# KiCad board AMC_FMC_Carrier-PcbDoc.kicad_pcb (continued)
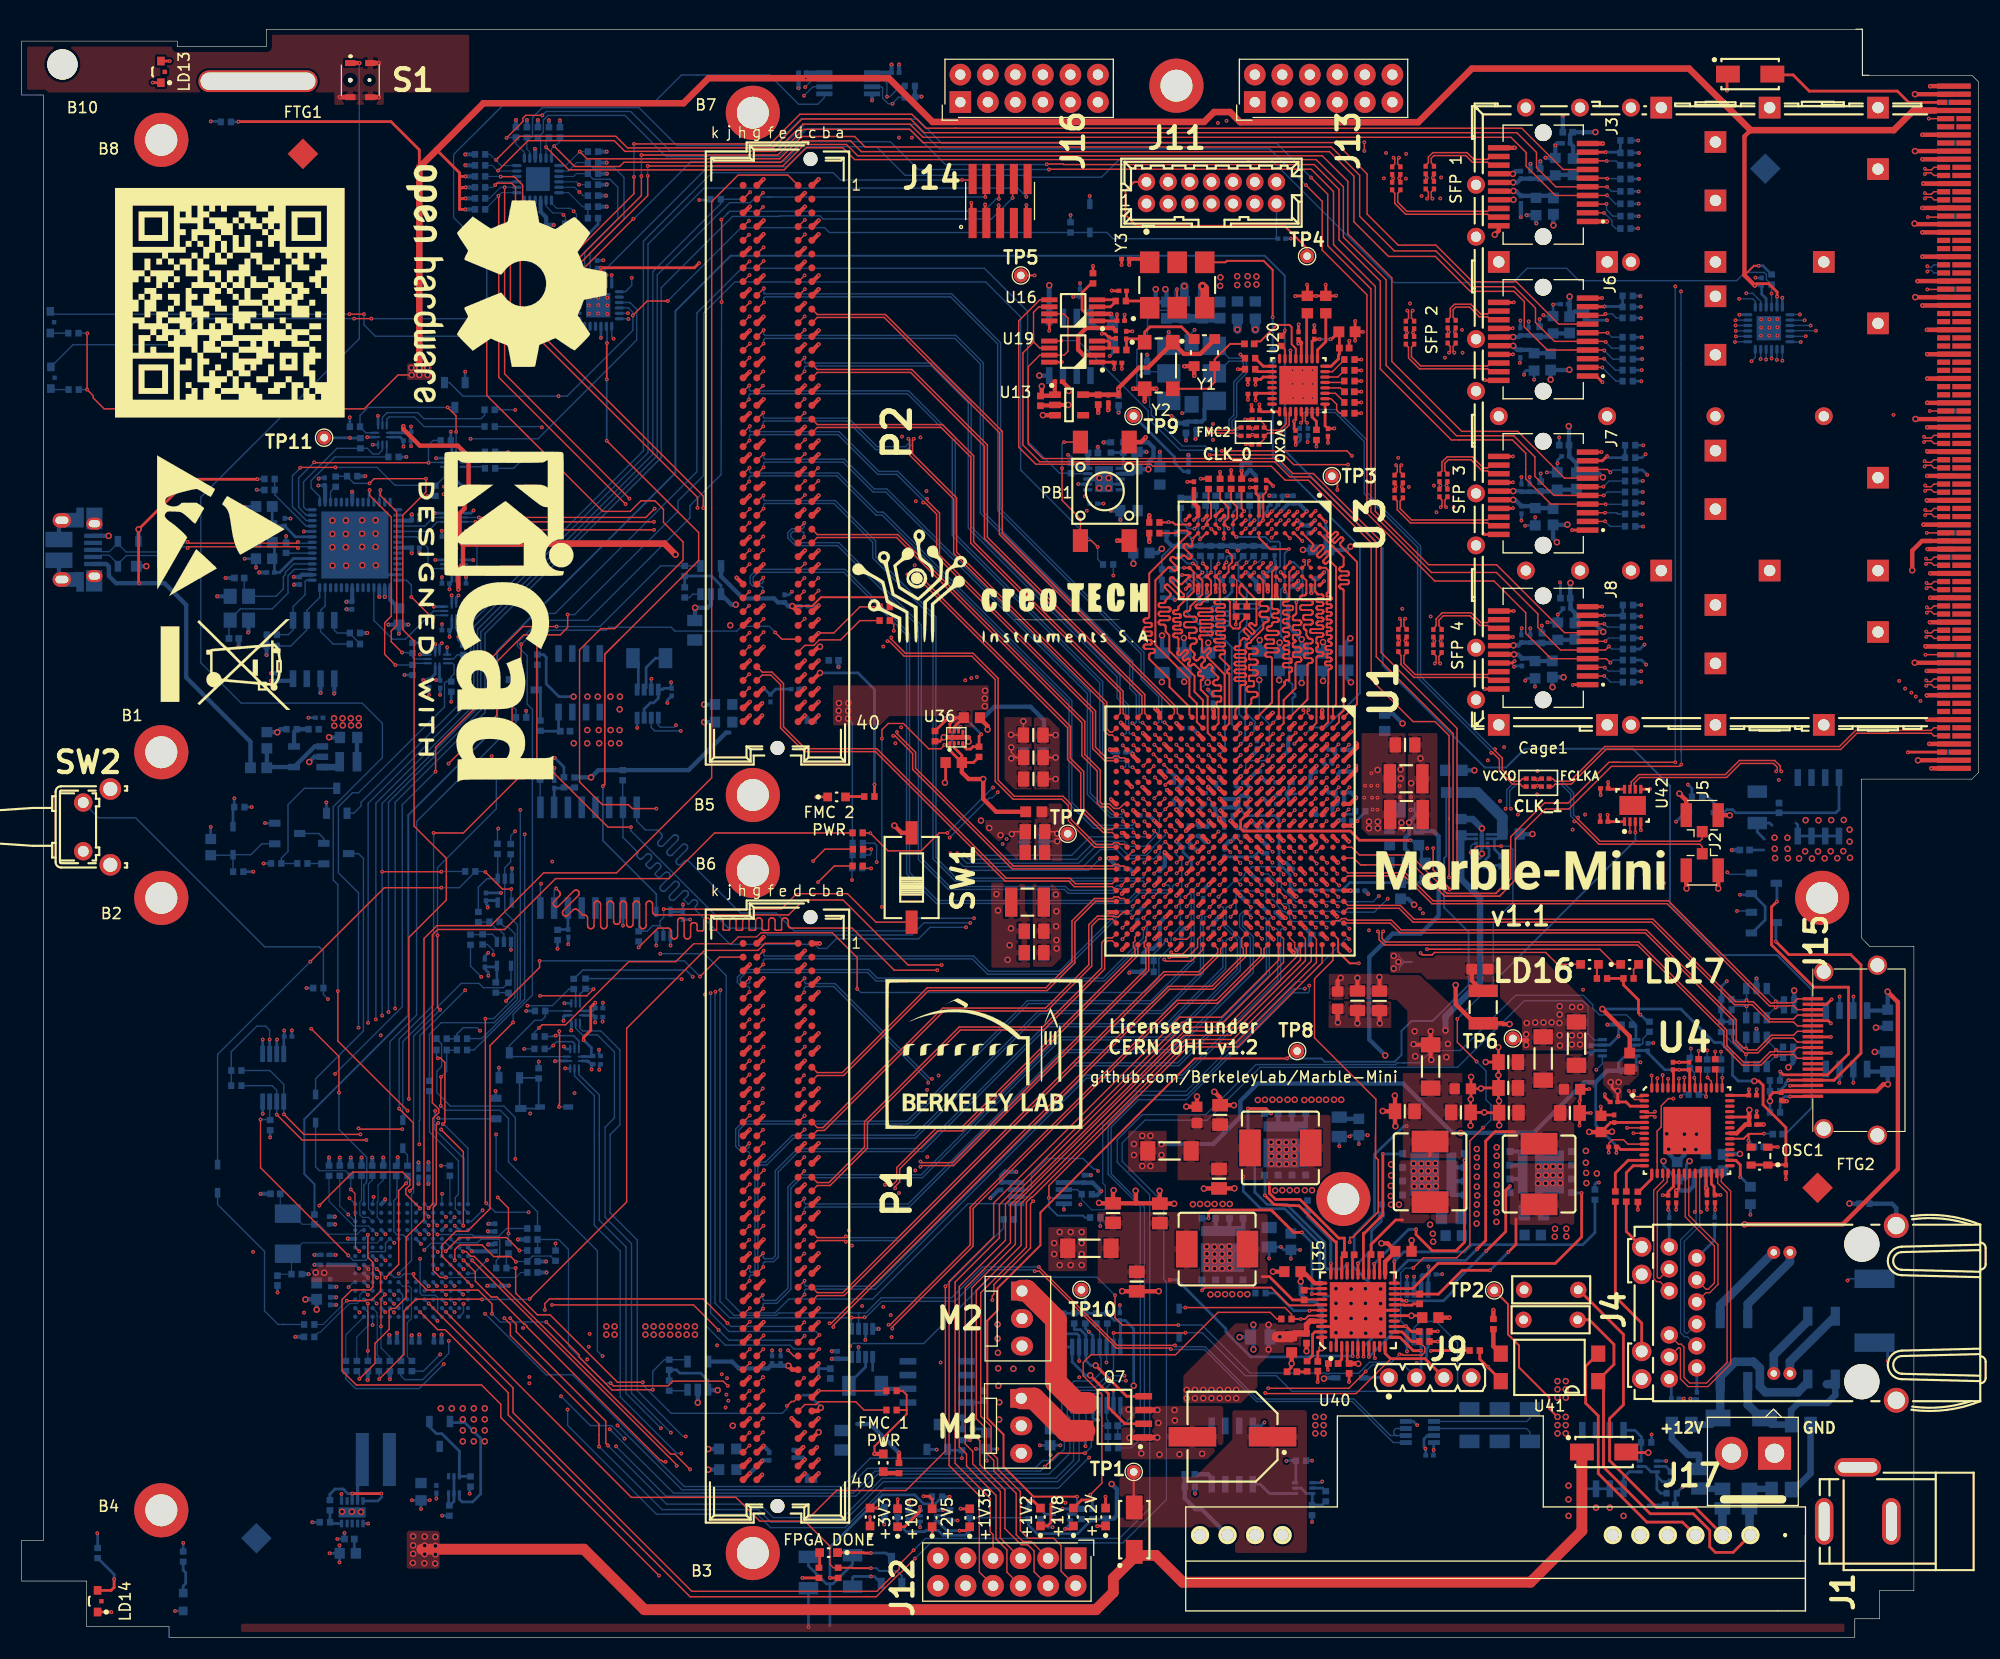
[diagram p0: board, top side]
## Nets (continued)
Net-(B9-Pad1): B9.1
Net-(B10-Pad1): B10.1
Net-(C30-Pad2): C30.2 C31.1 C32.1 C34.1 J3.15 L1.2
Net-(C33-Pad2): C33.2 C35.1 J3.16 L2.2
Net-(C38-Pad1): C38.1 R224.2 R225.2 U30.2
Net-(C39-Pad1): C39.1 R227.2 U30.14
Net-(C42-Pad2): C42.2 C45.1 C46.1 C48.1 C50.1 C52.1 L3.2 U4.3 U4.19 U4.26 U4.35 U4.38
Net-(C47-Pad2): C47.2 C49.1 C51.1 L4.2 U4.20 U4.25
Net-(C58-Pad1): C58.1 J4.7
Net-(C59-Pad1): C59.1 J4.1
Net-(C60-Pad1): C60.1 J4.6
Net-(C72-Pad2): C72.2 C73.1 C74.1 C76.1 J6.15 L41.2
Net-(C75-Pad2): C75.2 C77.1 J6.16 L42.2
Net-(C84-Pad2): C84.2 C85.1 C86.1 C88.1 J7.15 L5.2
Net-(C87-Pad2): C87.2 C89.1 J7.16 L6.2
Net-(C93-Pad1): C93.1 R132.1 U2.K4 Y5.2
Net-(C100-Pad1): C96.2 C97.1 C98.1 C100.1 J8.15 L7.2
Net-(C101-Pad1): C99.2 C101.1 J8.16 L8.2
Net-(C102-Pad1): C92.1 C102.1 U2.L2 Y5.1
Net-(C106-Pad1): C90.1 C106.1 R58.1 U14.8 U16.2 U19.2
Net-(C107-Pad1): C81.1 C91.1 C107.1 U13.5 Y1.6 Y2.4
Net-(C111-Pad1): C111.1 C113.1 L11.2 L12.1
Net-(C114-Pad1): C114.1 Y1.4 Y2.3
Net-(C114-Pad2): C114.2 U20.21
Net-(C120-Pad1): C120.1 U20.19
Net-(C121-Pad1): C121.1 U20.17
Net-(C123-Pad1): C123.1 C126.1 L26.1 U20.16 U20.18
Net-(C127-Pad1): C127.1 C140.1 U35.4 U35.16
Net-(C128-Pad1): C128.1 D4.2 J1.1 J17.2 Q1.1 Q2.5 Q2.6 Q2.7 Q2.8
Net-(C129-Pad1): C129.1 C130.1 D4.1 D12.1 U18.2 U18.3
Net-(C132-Pad1): C132.1 C133.1 L13.2 Q15.1 Q25.3 R109.1 U18.8 U18.10
Net-(C134-Pad2): C134.2 Q16.4 R213.2
Net-(C135-Pad2): C135.2 Q23.4 R214.2
Net-(C138-Pad2): C138.2 U35.3
Net-(C144-Pad1): C144.1 C361.1 C362.1 U35.23 U35.34 U35.44
Net-(C145-Pad1): C145.1 L16.1 R195.1 U37.1 U37.2
Net-(C162-Pad1): C162.1 L10.2 U22.1 U22.4
Net-(C165-Pad1): C165.1 U23.4 Y4.1
Net-(C167-Pad1): C167.1 C174.1 L24.2 U23.5
Net-(C168-Pad1): C168.1 C175.1 L25.2 U23.9
Net-(C171-Pad1): C171.1 U23.3 Y4.3
Net-(C188-Pad2): C188.2 C189.2 R129.2 U27.11 U27.12
Net-(C199-Pad1): C199.1 L9.2 U2.F2 U2.G2
Net-(C350-Pad1): C350.1 D12.2 Q4.5 Q4.6 Q4.7 Q4.8 Q22.1 R197.1 TP1.1 U40.8
Net-(C352-Pad1): C352.1 J4.12
Net-(C353-Pad1): C353.1 L39.2 U40.1 U41.1
Net-(C354-Pad1): C354.1 L40.2 U40.2
Net-(C357-Pad2): C357.2 D9.1 Q3.4 R170.1
Net-(C360-Pad1): C360.1 D16.2 Q18.1 R270.2
Net-(C374-Pad1): C374.1 C375.1 OSC1.3 U4.34
Net-(C389-Pad2): C389.2 U20.12
Net-(D2-Pad2): D2.2 D5.2 J9.1 R245.1 U35.40
Net-(D6-Pad3): D6.3 D7.3 D8.1 L35.1
Net-(D6-Pad4): D6.4 D7.4 D8.2 L36.1
Net-(D10-Pad5): D10.5
Net-(D11-Pad5): D11.5
Net-(D13-Pad4): D13.4 J10.1 L10.1 R112.1
Net-(D14-Pad2): D14.2 Q5.3 Q17.1 R246.2
Net-(D17-Pad1): D17.1 R276.2 U7.4
Net-(D18-Pad1): D18.1 R63.2 U10.4
Net-(J1-Pad2): J1.2
Net-(J3-Pad9): J3.9 R32.1 R33.1
Net-(J4-Pad17): J4.17 R67.1
Net-(J4-Pad19): J4.19 R156.1
Net-(J4-Pad21): J4.21 J4.22 R165.2
Net-(J6-Pad9): J6.9 R68.1 R69.1
Net-(J7-Pad9): J7.9 R76.1 R77.1
Net-(J8-Pad9): J8.9 R85.1 R86.1
Net-(J10-Pad4): J10.4
Net-(J11-Pad12): J11.12
Net-(J11-Pad14): J11.14
Net-(J14-Pad7): J14.7
Net-(J15-Pad13): J15.13
Net-(J15-Pad14): J15.14
Net-(J15-Pad15): J15.15 Q20.3 R217.2
Net-(J15-Pad16): J15.16 Q21.3 R218.2
Net-(L13-Pad1): L13.1 U18.9
Net-(L23-Pad1): L23.1 U22.3
Net-(L35-Pad2): L35.2 L37.1
Net-(L36-Pad2): L36.2 L38.1
Net-(L37-Pad2): L37.2 L39.1
Net-(L38-Pad2): L38.2 L40.1
Net-(LD1-Pad2): LD1.2 R235.2
Net-(LD2-Pad2): LD2.2 R236.2
Net-(LD3-Pad1): LD3.1 Q19.3
Net-(LD3-Pad2): LD3.2 R163.2
Net-(LD4-Pad2): LD4.2 R248.2
Net-(LD5-Pad1): LD5.1 Q26.6
Net-(LD5-Pad2): LD5.2 R249.2
Net-(LD6-Pad2): LD6.2 R251.2
Net-(LD7-Pad1): LD7.1 Q26.3
Net-(LD7-Pad2): LD7.2 R252.2
Net-(LD8-Pad1): LD8.1 Q27.6
Net-(LD8-Pad2): LD8.2 R254.2
Net-(LD9-Pad1): LD9.1 Q27.3
Net-(LD9-Pad2): LD9.2 R256.2
Net-(LD10-Pad2): LD10.2 R257.2
Net-(LD11-Pad1): LD11.1 U39.13
Net-(LD11-Pad2): LD11.2 R264.2
Net-(LD12-Pad1): LD12.1 U39.12
Net-(LD12-Pad2): LD12.2 R265.2
Net-(LD13-Pad1): LD13.1 U2.P2
Net-(LD13-Pad2): LD13.2 R266.2
Net-(LD14-Pad1): LD14.1 U2.P1
Net-(LD14-Pad2): LD14.2 R267.2
Net-(LD15-Pad1): LD15.1 U2.N8
Net-(LD15-Pad2): LD15.2 R268.2
Net-(LD16-Pad1): LD16.1 U1.C17
Net-(LD16-Pad2): LD16.2 R306.2
Net-(LD17-Pad1): LD17.1 U1.D14
Net-(LD17-Pad2): LD17.2 R307.2
Net-(M1-Pad1): M1.1 Q7.7 Q7.8
Net-(M1-Pad3): M1.3 R175.2 U27.2
Net-(M2-Pad1): M2.1 Q7.5 Q7.6
Net-(M2-Pad3): M2.3 R177.2 U27.4
Net-(P1-Padc2): P1.c2
Net-(P1-Padc3): P1.c3
Net-(P1-Padc6): P1.c6
Net-(P1-Padc7): P1.c7
Net-(P1-Padc34): P1.c34 R297.2
Net-(P1-Padd35): P1.d35 R298.2
Net-(P1-Padh1): P1.h1
Net-(P2-Padc2): P2.c2
Net-(P2-Padc3): P2.c3
Net-(P2-Padc6): P2.c6
Net-(P2-Padc7): P2.c7
Net-(P2-Padc34): P2.c34 R299.2
Net-(P2-Padd35): P2.d35 R300.2
Net-(P2-Padh1): P2.h1
Net-(P3-Pad6): P3.6
Net-(P3-Pad8): P3.8
Net-(P3-Pad171): P3.171
Net-(P3-Pad172): P3.172
Net-(P3-Pad173): P3.173
Net-(P3-Pad174): P3.174
Net-(P3-Pad175): P3.175
Net-(P3-Pad176): P3.176
Net-(P3-Pad177): P3.177
Net-(P3-Pad178): P3.178
Net-(P3-Pad179): P3.179
Net-(P3-Pad180): P3.180
Net-(P3-Pad181): P3.181
Net-(P3-Pad182): P3.182
Net-(P3-Pad183): P3.183
Net-(P3-Pad184): P3.184
Net-(P3-Pad185): P3.185
Net-(P3-Pad186): P3.186
Net-(P3-Pad187): P3.187
Net-(P3-Pad188): P3.188
Net-(P3-Pad189): P3.189
Net-(P3-Pad190): P3.190
Net-(P3-Pad191): P3.191
Net-(P3-Pad192): P3.192
Net-(P3-Pad193): P3.193
Net-(P3-Pad194): P3.194
Net-(P3-Pad195): P3.195
Net-(P3-Pad196): P3.196
Net-(P3-Pad197): P3.197
Net-(P3-Pad198): P3.198
Net-(P3-Pad199): P3.199
Net-(P3-Pad200): P3.200
Net-(P3-Pad201): P3.201
Net-(P3-Pad202): P3.202
Net-(P3-Pad203): P3.203
Net-(P3-Pad204): P3.204
Net-(P3-Pad205): P3.205
Net-(P3-Pad206): P3.206
Net-(P3-Pad207): P3.207
Net-(P3-Pad208): P3.208
Net-(P3-Pad209): P3.209
Net-(P3-Pad210): P3.210
Net-(P3-Pad211): P3.211
Net-(P3-Pad212): P3.212
Net-(P3-Pad213): P3.213
Net-(P3-Pad214): P3.214
Net-(P3-Pad215): P3.215
Net-(P3-Pad216): P3.216
Net-(P3-Pad217): P3.217
Net-(P3-Pad218): P3.218
Net-(P3-Pad219): P3.219
Net-(P3-Pad220): P3.220
Net-(P3-Pad221): P3.221
Net-(P3-Pad222): P3.222
Net-(P3-Pad223): P3.223
Net-(P3-Pad224): P3.224
Net-(P3-Pad225): P3.225
Net-(P3-Pad226): P3.226
Net-(P3-Pad227): P3.227
Net-(P3-Pad228): P3.228
Net-(P3-Pad229): P3.229
Net-(P3-Pad230): P3.230
Net-(P3-Pad231): P3.231
Net-(P3-Pad232): P3.232
Net-(P3-Pad233): P3.233
Net-(P3-Pad234): P3.234
Net-(P3-Pad235): P3.235
Net-(P3-Pad236): P3.236
Net-(P3-Pad237): P3.237
Net-(P3-Pad238): P3.238
Net-(P3-Pad239): P3.239
Net-(P3-Pad240): P3.240
Net-(P3-Pad241): P3.241
Net-(P3-Pad242): P3.242
Net-(P3-Pad243): P3.243
Net-(P3-Pad244): P3.244
Net-(P3-Pad245): P3.245
Net-(P3-Pad246): P3.246
Net-(P3-Pad247): P3.247
Net-(P3-Pad248): P3.248
Net-(P3-Pad249): P3.249
Net-(P3-Pad250): P3.250
Net-(P3-Pad251): P3.251
Net-(P3-Pad252): P3.252
Net-(P3-Pad253): P3.253
Net-(P3-Pad254): P3.254
Net-(P3-Pad255): P3.255
Net-(P3-Pad256): P3.256
Net-(P3-Pad257): P3.257
Net-(P3-Pad258): P3.258
Net-(P3-Pad259): P3.259
Net-(P3-Pad260): P3.260
Net-(P3-Pad261): P3.261
Net-(P3-Pad262): P3.262
Net-(P3-Pad263): P3.263
Net-(P3-Pad264): P3.264
Net-(P3-Pad265): P3.265
Net-(P3-Pad266): P3.266
Net-(P3-Pad267): P3.267
Net-(P3-Pad268): P3.268
Net-(P3-Pad269): P3.269
Net-(P3-Pad270): P3.270
Net-(P3-Pad271): P3.271
Net-(P3-Pad272): P3.272
Net-(P3-Pad273): P3.273
Net-(P3-Pad274): P3.274
Net-(Q1-Pad2): Q1.2 Q1.6 R104.1 R107.1
Net-(Q1-Pad3): Q1.3 Q2.4 R108.1
Net-(Q1-Pad5): Q1.5 R107.2
Net-(Q6-Pad3): Q6.3 R204.2 U26.2 U33.2
Net-(Q7-Pad2): Q7.2 R174.2 U27.1
Net-(Q7-Pad4): Q7.4 R176.2 U27.3
Net-(Q8-Pad3): Q8.3 R202.2 R213.1
Net-(Q9-Pad3): Q9.3 R203.2 R214.1
Net-(Q14-Pad1): Q14.1 R269.2
Net-(Q14-Pad2): Q14.2 Q18.3
Net-(Q15-Pad2): Q15.2 Q15.5 Q15.6 R171.1
Net-(Q15-Pad3): Q15.3 Q25.1 R180.1
Net-(Q16-Pad5): Q16.5 Q16.6 Q16.7 Q16.8 R182.1 U17.1
Net-(Q17-Pad3): Q17.3 R131.2 U8.2 U9.2
Net-(Q22-Pad2): Q22.2 Q22.6 R181.1 R184.1
Net-(Q22-Pad3): Q4.4 Q22.3 R212.1
Net-(Q22-Pad5): Q22.5 R184.2
Net-(Q23-Pad5): Q23.5 Q23.6 Q23.7 Q23.8 R183.1 U32.1
Net-(Q24-Pad1): Q24.1 R273.2 U24.4
Net-(Q24-Pad3): Q24.3 R269.1 R271.1
Net-(Q26-Pad2): Q26.2 R247.2
Net-(Q26-Pad5): Q26.5 R250.2
Net-(Q27-Pad2): Q27.2 R253.2
Net-(Q27-Pad5): Q27.5 R255.2
Net-(R28-Pad1): R28.1 U3.L8
Net-(R30-Pad1): R30.1 R31.1 U31.1
Net-(R43-Pad1): R43.1 U5.23
Net-(R44-Pad1): R44.1 U5.22
Net-(R64-Pad1): R64.1 U4.8 U6.8
Net-(R65-Pad2): R65.2 U4.15
Net-(R66-Pad2): R66.2 U4.30
Net-(R67-Pad2): R67.2 U4.14
Net-(R92-Pad2): R92.2 U16.3 U16.4
Net-(R93-Pad2): R93.2 U19.3 U19.4
Net-(R94-Pad2): R94.2 U20.7
Net-(R95-Pad1): R95.1 U20.23
Net-(R96-Pad2): R96.2 U20.25
Net-(R97-Pad2): R97.2 U20.26
Net-(R98-Pad2): R98.2 U20.13
Net-(R99-Pad2): R99.2 U20.14
Net-(R100-Pad2): R100.2 U20.15
Net-(R101-Pad2): R101.2 U20.10
Net-(R102-Pad2): R102.2 U20.11
Net-(R103-Pad1): R103.1 Y3.4
Net-(R109-Pad2): R109.2 R110.1 U18.5
Net-(R112-Pad2): R112.2 R116.1 U23.11
Net-(R113-Pad2): R113.2 R114.1 U21.4
Net-(R114-Pad2): R114.2 U21.3 U23.55
Net-(R115-Pad2): R115.2 U21.2 U23.56
Net-(R117-Pad2): R117.2 U21.1 U23.1
Net-(R118-Pad2): R118.2 R119.1 U22.5
Net-(R120-Pad2): R120.2 U23.6
Net-(R121-Pad2): R121.2 U23.24 U24.8
Net-(R122-Pad2): R122.2 U23.12 U26.8
Net-(R123-Pad2): R123.2 U23.26 U24.9
Net-(R124-Pad2): R124.2 U23.13 U26.9
Net-(R125-Pad2): R125.2 U23.14 U33.9
Net-(R126-Pad2): R126.2 U23.15 U33.8
Net-(R135-Pad2): R135.2 U2.L10
Net-(R136-Pad2): R136.2 U2.P12
Net-(R148-Pad2): R148.2 U2.D6
Net-(R149-Pad2): R149.2 U2.E6
Net-(R150-Pad2): R150.2 U2.A2
Net-(R151-Pad2): R151.2 U2.F4
Net-(R152-Pad2): R152.2 U2.G3
Net-(R153-Pad2): R153.2 U2.B3
Net-(R154-Pad2): R154.2 U2.B2
Net-(R155-Pad2): R155.2 U2.J11
Net-(R156-Pad2): R156.2 U4.13
Net-(R161-Pad1): R161.1 U1.F8
Net-(R168-Pad2): R168.2 R189.1 U36.4
Net-(R190-Pad2): R190.2 U35.39
Net-(R191-Pad2): R191.2 U35.33
Net-(R192-Pad2): R192.2 U35.28
Net-(R193-Pad2): R193.2 U35.43
Net-(R194-Pad2): R194.2 U35.22
Net-(R195-Pad2): R195.2 R196.1 U37.4
Net-(R197-Pad2): R197.2 R198.1 U40.9
Net-(R200-Pad2): R200.2 U23.17
Net-(R210-Pad2): R210.2 U30.1
Net-(R259-Pad2): R259.2 U44.3
Net-(R261-Pad2): R261.2 U45.3
Net-(R262-Pad2): R262.2 U6.6
Net-(R263-Pad2): R263.2 SW2.2 SW3.2 U2.N14
Net-(R274-Pad2): R42.1 R274.2 U5.18
Net-(R281-Pad1): R281.1 U41.3
Net-(R283-Pad2): R283.2 R286.1 U1.U11
Net-(R284-Pad1): R284.1 R287.1 U1.U10
Net-(R285-Pad1): R285.1 R288.1 U1.U9
Net-(R291-Pad1): R291.1 U4.43
Net-(R292-Pad1): R292.1 U4.46
Net-(R293-Pad1): R293.1 U4.44
Net-(R294-Pad1): R294.1 U4.45
Net-(R295-Pad1): R295.1 U4.47
Net-(R296-Pad1): R296.1 U4.48
Net-(R311-Pad2): R311.2 U1.C22 U47.3
Net-(R312-Pad2): R312.2 U1.A21 U47.2
Net-(R313-Pad1): R313.1 U46.5 U47.5
Net-(U1-PadAA8): U1.AA8
Net-(U1-PadAB6): U1.AB6
Net-(U1-PadAB7): U1.AB7
Net-(U1-PadAB8): U1.AB8
Net-(U1-PadB13): U1.B13
Net-(U1-PadE14): U1.E14
Net-(U1-PadE17): U1.E17
Net-(U1-PadF4): U1.F4
Net-(U1-PadL20): U1.L20
Net-(U1-PadN15): U1.N15
Net-(U1-PadP20): U1.P20
Net-(U1-PadR2): U1.R2
Net-(U1-PadR3): U1.R3
Net-(U1-PadT3): U1.T3
Net-(U1-PadT20): U1.T20
Net-(U1-PadT21): U1.T21
Net-(U1-PadU21): U1.U21
Net-(U1-PadV22): U1.V22
Net-(U1-PadY7): U1.Y7
Net-(U1-PadY8): U1.Y8
Net-(U1-PadY17): U1.Y17
Net-(U2-PadA1): U2.A1
Net-(U2-PadA4): U2.A4
Net-(U2-PadA5): U2.A5
Net-(U2-PadA6): U2.A6
Net-(U2-PadA7): U2.A7
Net-(U2-PadA8): U2.A8
Net-(U2-PadA9): U2.A9
Net-(U2-PadA12): U2.A12
Net-(U2-PadA14): U2.A14
Net-(U2-PadB6): U2.B6
Net-(U2-PadB7): U2.B7
Net-(U2-PadB9): U2.B9
Net-(U2-PadB10): U2.B10
Net-(U2-PadB13): U2.B13
Net-(U2-PadB14): U2.B14
Net-(U2-PadC1): U2.C1
Net-(U2-PadC6): U2.C6
Net-(U2-PadC7): U2.C7
Net-(U2-PadC8): U2.C8
Net-(U2-PadC10): U2.C10
Net-(U2-PadC13): U2.C13
Net-(U2-PadC14): U2.C14
Net-(U2-PadD1): U2.D1
Net-(U2-PadD3): U2.D3
Net-(U2-PadD7): U2.D7
Net-(U2-PadD8): U2.D8
Net-(U2-PadD9): U2.D9
Net-(U2-PadD10): U2.D10
Net-(U2-PadD12): U2.D12
Net-(U2-PadD14): U2.D14
Net-(U2-PadE3): U2.E3
Net-(U2-PadE4): U2.E4
Net-(U2-PadE5): U2.E5
Net-(U2-PadE7): U2.E7
Net-(U2-PadE8): U2.E8
Net-(U2-PadE13): U2.E13
Net-(U2-PadF1): U2.F1
Net-(U2-PadF10): U2.F10
Net-(U2-PadF12): U2.F12
Net-(U2-PadF13): U2.F13
Net-(U2-PadG4): U2.G4
Net-(U2-PadG5): U2.G5
Net-(U2-PadG11): U2.G11
Net-(U2-PadG12): U2.G12
Net-(U2-PadG14): U2.G14
Net-(U2-PadH1): U2.H1
Net-(U2-PadH2): U2.H2
Net-(U2-PadH5): U2.H5
Net-(U2-PadH10): U2.H10
Net-(U2-PadH11): U2.H11
Net-(U2-PadJ2): U2.J2
Net-(U2-PadJ3): U2.J3
Net-(U2-PadJ4): U2.J4
Net-(U2-PadJ5): U2.J5
Net-(U2-PadK3): U2.K3
Net-(U2-PadK6): U2.K6
Net-(U2-PadK9): U2.K9
Net-(U2-PadK10): U2.K10
Net-(U2-PadK11): U2.K11
Net-(U2-PadK13): U2.K13
Net-(U2-PadK14): U2.K14
Net-(U2-PadL1): U2.L1
Net-(U2-PadL5): U2.L5
Net-(U2-PadL6): U2.L6
Net-(U2-PadL7): U2.L7
Net-(U2-PadL12): U2.L12
Net-(U2-PadL14): U2.L14
Net-(U2-PadM2): U2.M2
Net-(U2-PadM5): U2.M5
Net-(U2-PadM6): U2.M6
Net-(U2-PadM7): U2.M7
Net-(U2-PadM8): U2.M8
Net-(U2-PadM11): U2.M11
Net-(U2-PadN1): U2.N1
Net-(U2-PadN2): U2.N2
Net-(U2-PadN4): U2.N4
Net-(U2-PadN5): U2.N5
Net-(U2-PadN6): U2.N6
Net-(U2-PadN7): U2.N7
Net-(U2-PadN10): U2.N10
Net-(U2-PadN12): U2.N12
Net-(U2-PadP6): U2.P6
Net-(U2-PadP7): U2.P7
Net-(U2-PadP8): U2.P8
Net-(U2-PadP10): U2.P10
Net-(U2-PadP13): U2.P13
Net-(U3-PadJ1): U3.J1
Net-(U3-PadJ9): U3.J9
Net-(U3-PadL1): U3.L1
Net-(U3-PadL9): U3.L9
Net-(U4-Pad7): U4.7 U6.1
Net-(U4-Pad9): U4.9
Net-(U4-Pad12): U4.12
Net-(U4-Pad29): U4.29
Net-(U4-Pad31): U4.31
Net-(U4-Pad32): U4.32
Net-(U4-Pad33): U4.33
Net-(U4-Pad36): U4.36
Net-(U4-Pad37): U4.37
Net-(U4-Pad39): U4.39
Net-(U4-Pad40): U4.40
Net-(U4-Pad41): U4.41
Net-(U5-Pad25): U5.25
Net-(U12-Pad4): U12.4
Net-(U12-Pad5): U12.5
Net-(U13-Pad4): U13.4
Net-(U15-Pad1): U15.1
Net-(U15-Pad4): U15.4
Net-(U15-Pad8): U15.8 U23.34
Net-(U15-Pad9): U15.9
Net-(U18-Pad4): U18.4
Net-(U18-Pad7): U18.7
Net-(U20-Pad8): U20.8
Net-(U20-Pad24): U20.24
Net-(U20-Pad28): U20.28
Net-(U20-Pad29): U20.29
Net-(U20-Pad31): U20.31
Net-(U20-Pad32): U20.32
Net-(U21-Pad7): U21.7
Net-(U23-Pad18): U23.18
Net-(U23-Pad19): U23.19
Net-(U23-Pad20): U23.20
Net-(U23-Pad22): U23.22
Net-(U23-Pad23): U23.23
Net-(U23-Pad25): U23.25
Net-(U23-Pad27): U23.27
Net-(U23-Pad28): U23.28
Net-(U23-Pad29): U23.29
Net-(U23-Pad30): U23.30
Net-(U23-Pad32): U23.32 U38.9
Net-(U23-Pad33): U23.33 U38.8
Net-(U23-Pad35): U23.35
Net-(U23-Pad37): U23.37
Net-(U23-Pad38): U23.38
Net-(U23-Pad39): U23.39
Net-(U23-Pad40): U23.40
Net-(U23-Pad42): U23.42 U25.8
Net-(U23-Pad46): U23.46 U25.9
Net-(U23-Pad47): U23.47
Net-(U23-Pad48): U23.48
Net-(U23-Pad49): U23.49
Net-(U23-Pad51): U23.51
Net-(U23-Pad52): U23.52
Net-(U23-Pad53): U23.53
Net-(U23-Pad54): U23.54
Net-(U30-Pad3): U30.3
Net-(U30-Pad4): U30.4
Net-(U30-Pad5): U30.5
Net-(U30-Pad6): U30.6
Net-(U30-Pad11): U30.11
Net-(U30-Pad12): U30.12
Net-(U30-Pad13): U30.13
Net-(U35-Pad1): U35.1
Net-(U35-Pad10): U35.10
Net-(U35-Pad15): U35.15
Net-(U36-Pad3): U36.3
Net-(U37-Pad3): U37.3
Net-(U39-Pad2): U39.2
Net-(U39-Pad10): U39.10
Net-(U39-Pad11): U39.11
Net-(U40-Pad3): U40.3 U41.2
Net-(Y3-Pad5): Y3.5
Net-(Y6-Pad1): Y6.1

Pads without a net: FTG1 1; FTG2 1; FTG3 1; FTG4 1; LD11 3; LD12 3; LD13 3; LD14 3; S1 5 6; SW2 3 4; U14 1 2 3 6 7; U40 4 5 6; U42 9

## Via types
v1: diameter 0.35, hole 0.152, Top to Bottom, 2190 vias
v2: diameter 0.6, hole 0.35, Top to Bottom, 607 vias

## Routing (per net, layer and track width the routed paths; a pad name or vN(x,y) marks a point on that pad's centre or on a via; arc(x,y) is an arc through that point)
+1V0: length 158.3
  Top w0.254: C57.1 146.65,47.54 C53.1 147,47.55 U4.6 ; U4.42 C54.1 159.42,50.59 v1(159.44,50.61) ; C265.1 125.83,79.29 ; C266.1 126.06,75.98
  Top w0.381: U1.H8 v1(115.47,78.4) ; 115.01,75.96 115.45,76.4 ; v1(107.59,79.41) 108.03,78.98 U1.R7 ; 110.97,77.94 110.53,78.38 ; U1.J9 v1(114.52,77.44) ; U1.N7 109.95,78.96 v1(109.5,79.41) ; U1.K8 113.03,77.99 v1(113.44,78.4) ; U1.L7 112.09,78.96 ; v1(106.58,76.43) 106.58,76.43 107.03,75.98 U1.T10 ; U1.R9 108.03,77.01 v1(107.59,77.44) ; 112.07,79.06 v1(112.52,79.51) ; v1(108.61,76.36) 109.01,75.96 U1.P10 ; v1(108.55,78.46) 109.03,77.98 U1.P8 ; 107.01,77.96 U1.T8 106.66,78.33 v1(106.64,78.33) ; U1.H10 115.03,75.99 ; v1(114.45,79.41) 114.03,78.99 U1.J7 ; U1.M8 110.95,77.96
  Top w0.4: 126.31,76.67 C266.1 126.31,76.29 ; 146.7,46.66 C57.1 144.87,46.66 144.86,46.67 144.65,46.67 ; C265.1 126.52,79.29 ; 137.69,55.16 138.96,55.16
  In2.Cu w0.254: v1(86.38,10.79) 87.82,10.79 89.01,9.6 99.63,9.6 101.16,11.13 101.16,24.28 102.68,25.79 109.55,25.79 120.34,36.58 120.35,36.58 121.31,37.55 123.08,37.55 125.01,39.48 125.01,44.75 125.92,45.53 130.7,45.53 138.86,53.69 v2(138.86,54.7)
  In2.Cu w0.4: v1(159.44,50.61) 159.44,49.82 155.45,45.83 147.65,45.83 v2(146.79,46.7) 144.7,46.7 v2(144.68,46.67) 144.26,47.09 144.26,47.82 141.99,50.1 v2(141.99,54.65)
  Bottom w0.127: v1(112.52,79.51) 112.98,79.97 112.98,80.84 113.11,80.96 114.73,80.96 114.98,81.22 114.98,81.37 115.15,81.54 115.15,84.35 114.25,85.25 114.22,85.25 v2(114.22,88.41) 114.22,87.99 114.17,87.94 ; 114.17,87.94 114.25,88.02 C272.1 ; 114.17,87.94 114.17,87.54 ; C268.1 109.47,88.23 109.02,87.77
  Bottom w0.254: R247.1 v1(86.38,10.79)
  Bottom w0.381: v1(108.61,76.36) 109.2,76.95 C277.1 ; C271.1 114.91,78.96 v1(114.45,79.41) ; v1(108.55,78.46) 109.04,77.97 C275.1 ; v1(113.44,78.4) 112.9,78.93 C264.1 ; v1(110.54,78.37) 110.22,78.7 C273.1 110.01,78.9 v1(109.5,79.41) ; v1(107.59,77.44) 107.1,76.95 C267.1 106.98,76.59 106.82,76.43 v1(106.58,76.43) ; v1(114.52,77.44) 114.64,77.44 115.12,76.97 C279.1 ; v1(106.64,78.33) 107.03,78.72 C269.1 107.11,78.93 v1(107.59,79.41)
  Bottom w0.4: v2(107.29,88.23) 107.29,88.24 C270.1 ; C278.1 105.26,88.23 v2(105.24,88.22) ; 114.25,88.44 v2(114.22,88.41) ; C268.1 v2(109.47,88.18)
  vias: v1(115.44,76.39) v1(123.93,77.53) v1(124,78.65) v1(124.56,78.65) v1(124.59,79.79) v1(124.64,77.53) v1(124.69,76.44) v1(125.14,78.65) v1(125.14,77.53) v1(125.14,76.43) v1(127.18,78.63) v1(127.23,77.58) v1(127.2,74.71) v1(127.56,74.59) v2(124.36,75.32) v2(124.36,74.71) v2(125.14,80.1) v2(125.17,75.32) v2(125.17,74.71) v2(127.28,80.15) v2(127.3,79.31) v2(127.35,75.22) v2(138.86,55.69) v2(138.91,56.73) v2(139.7,56.78) v2(140.46,56.78) v2(141.22,56.78) v2(141.96,58.28) v2(141.96,57.52) v2(141.93,56.73) v2(141.96,55.61) v2(143.1,58.2) v2(143.08,55.59) v2(143.08,54.75) v2(143.84,55.59) v2(143.84,54.75) v2(143.86,58.2)
+1V8: length 226.2
  Top w0.254: 86.87,80.88 C143.1 ; C143.1 86.78,81.45 86.07,82.16 U36.2 ; C143.1 85.67,81.89 U36.1 ; C143.1 86.47,81.09 ; C143.1 87.85,80.78 R168.1 ; v2(159.92,51.37) 160.34,51.37 160.73,50.98 160.73,49.19 162.84,47.08 C43.1 162.82,43.64 161.18,43.64 ; 159.63,43.64 161.18,43.64 ; 161.18,43.64 161.19,43.62
  Top w0.4: 148.42,54.01 148.42,55.5 v2(145.9,58.03) ; C143.1 86.78,79.88 87.4,79.26 v2(88.75,79.26) ; L15.1 89.94,76.24 88.75,77.43 88.75,79.29
  In2.Cu w0.254: 106.68,47.18 106.68,44.61 104.29,42.23 104.29,27.91 100.28,23.9 100.28,15.56 99.36,14.64 99.36,11.85 97.94,10.43 95.4,10.43 v1(95.15,10.17)
  In2.Cu w0.4: v2(145.9,58.03) 145.04,58.88 138.04,58.88 131.06,51.9 125.86,51.9 ; 125.86,51.9 v2(125.86,53.73) ; 125.86,51.9 121.13,47.18 103.4,47.18 101.75,45.53 101.75,44.01 v1(97.71,39.97)
  In4.Cu w0.4: v1(97.71,39.97) 88.77,48.91 88.77,74.05 87.94,74.88 87.94,76.04 88.75,76.85 v2(88.75,79.26)
  Bottom w0.254: v2(159.92,51.37) 158.44,51.37 157.91,51.9 157.91,53.86 156.84,54.93 156.23,54.93 153.14,58.03 v2(145.9,58.03) ; v1(95.15,10.17) 94.75,10.17 R255.1
  Bottom w0.4: 129.12,74.46 128.95,74.46 130.3,74.46 130.78,73.98 130.78,66.64 129.13,64.99 126.54,64.99 124.38,62.83 124.38,55.21 v2(125.86,53.73)
+1V8_USB: length 2.2
  Bottom w0.381: C173.1 34.01,95.84 U23.43
+1V35: length 91.4
  Top w0.178: C20.1 114.86,105.75 114.6,105.49 114.6,103.36 114.58,103.34 v1(114.58,103.16) ; v1(121.44,105.96) 121.44,106.72 TP3.1
  Top w0.254: U3.H2 114.19,102.77 v1(114.58,103.16) ; v1(117.83,97.57) 117.42,97.17 U3.D9 ; U3.K2 112.59,102.77 v1(112.98,103.16) ; U3.F1 115.8,103.57 v1(116.23,104) ; U3.C9 118.21,97.17 ; v1(120.38,103.02) 120.34,103.02 U3.A1 ; v1(116.59,96.58) 116.59,96.59 U3.E9 116.59,97.17 ; v1(110.78,104.11) 110.74,104.11 U3.N1 110.19,103.57 ; v1(112.98,98.36) 112.98,98.36 U3.K8 ; U3.A8 119.82,97.97 v1(120.22,98.36) ; U3.G7 115.32,99.1 v1(115.32,99.22) ; v1(108.2,103.19) 108.58,103.57 U3.R1 108.59,103.58 ; v1(119.38,103.16) 118.99,102.77 U3.B2 ; U3.C1 118.21,103.57 v1(118.62,103.97) ; U3.N9 110.19,96.55 v1(110.21,96.53) ; U3.D2 117.39,102.8 v1(117.75,103.16) ; 118.18,97.14 v1(117.8,96.76) ; U3.H9 114.19,97.19
  Top w0.381: v1(110.51,82.46) 111.02,81.96 U1.M4 ; v1(108.58,96.51) 108.59,96.51 U3.R9 ; v1(114.45,83.35) 114.06,82.96 U1.J3 ; v1(115.47,80.43) 115.03,79.99 U1.H6 ; U1.F2 v1(117.5,84.43) ; U1.C1 120.03,85.6 v1(120.04,85.61) ; v1(109.96,85.71) 110.03,85.64 U1.N1 110.03,84.98
  Top w0.4: U3.H9 v1(114.19,96.55) ; U3.R1 108.59,104.34 108.2,104.72 C18.1
  In2.Cu w0.254: v2(95.81,34.38) 96.71,33.48 98.26,33.48 99.14,32.6 99.14,27.77 95.74,24.38 95.74,20.83 93.22,18.3 89.56,18.3 83.79,12.53 v1(81.9,12.53)
  In4.Cu w0.178: v1(121.44,105.96) 119.91,104.43
  In4.Cu w0.381: v1(115.47,80.43) 115.47,80.76
  Bottom w0.254: C372.1 114.99,104.35 114.99,104.04 114.58,103.63 v1(114.58,103.16) ; v1(120.38,103.02) 120.37,103.01 120.37,102.37 ; R250.1 81.89,12.52 v1(81.9,12.53) ; v1(116.59,96.58) 116.89,96.28 C371.1
  Bottom w0.381: v1(119.38,103.16) 118.89,102.67 C19.1 118.21,102.67 118.19,102.7 118.19,102.73 v1(117.75,103.16) ; 117.54,97.02 v1(117.8,96.76) ; 117.54,97.02 117.83,97.31 v1(117.83,97.57) ; 117.54,97.02 C15.1 ; C336.1 114.02,82.92 v1(114.45,83.35) ; C334.1 117.04,83.97 v1(117.5,84.43) ; v1(120.22,98.36) 119.63,97.77 C14.1 ; v1(118.62,103.97) 117.88,104.72 C16.1 116.95,104.72 v1(116.23,104) ; C21.1 108.66,95.75 108.66,96.22 108.58,96.3 v1(108.58,96.51) ; v1(115.47,80.43) 115.01,79.97 C338.1
  Bottom w0.4: v2(120.12,88.32) 120.14,88.34 C280.1 ; R31.2 103.98,110.35 104.47,109.86 104.47,108.99 104,108.52 v2(104,107.87) 103.99,107.87 C22.1 102.53,107.46 U31.2 ; C364.1 v2(118.26,100.42) ; v2(116.06,88.39) 116.08,88.41 C282.1 ; C373.1 104.85,100.14 v2(105.23,100.52) ; v2(118.14,88.13) 118.13,88.14 C286.1 ; v1(109.96,85.71) 109.95,85.72 C332.1 ; v1(114.19,96.55) 113.94,96.81 C17.1 113.91,97.5 113.05,98.36 v1(112.98,98.36) ; C284.1 122.22,88.66 v2(122.69,88.2)
  vias: v2(95.3,36.41) v2(95.3,35.39) v2(95.81,37.43) v2(96.82,37.43) v2(96.82,34.38) v2(97.84,37.43) v2(97.84,36.41) v2(97.84,35.39) v2(97.84,34.38)
+2V5: length 506.9
  Top w0.127: C254.1 v2(95.43,79.26)
  Top w0.178: C255.1 v2(95.43,83.32) ; J11.2 102.69,134.4 101.88,133.6 101.88,131.36 102.89,130.34 116.56,130.34 118.64,128.25 TP4.1 ; C240.1 v2(95.43,81.24) ; C253.1 94.68,65.21 ; 94.75,67.89 C239.1 94.47,67.89
  Top w0.254: U36.8 85.67,84.37 86.23,84.92 C142.1 86.51,84.48 86.48,84.48 86.07,84.07 U36.7 ; v1(147.19,44.74) 147.19,44.75 C55.1 147.32,45.3 147.58,45.05 U4.11 ; R157.1 129.95,27.32 v1(130.68,27.32) ; R162.1 74.61,5.49 v1(74.6,5.5) ; U4.52 152.46,52.36 C56.1 152.98,52.41 v1(152.98,52.41) 152.99,52.41 C79.1 153.96,52.35 U4.49 ; 86.47,84.9 86.64,85.06 86.87,84.83 ; v1(51.87,55.16) 51.87,55.4 52.53,56.07 52.53,58.21 v1(52.93,58.61)
  Top w0.381: U1.R15 107.96,70.96 v1(107.52,70.52) ; U1.T22 107.03,63.93 v1(106.58,63.47) ; U1.K20 113.47,65.52 v1(113.47,65.51) ; v1(100.43,81.98) 100.45,81.96 U1.AB4 ; U1.U8 105.75,78.24 v1(105.71,78.24) ; U1.AB14 100.34,71.96 v1(100.33,71.95) ; U1.H16 115.03,69.94 v1(115.47,69.51) ; U1.M14 111.03,71.93 v1(110.58,71.48) ; v1(102.59,76.39) 103.02,75.96 U1.Y10 103.03,75.97 ; 104,72.96 U1.W13 104,72.96 v1(103.61,72.57) ; P2.g39 67.91,85.83 v1(68.35,86.27) ; U1.G19 116.55,66.44 v1(116.65,66.44) ; P2.h40 66.64,84.56 v1(67.21,85.13) ; v1(114.46,72.54) 114.45,72.54 U1.J13 ; v1(106.58,84.43) 107.03,83.98 U1.T2 ; v1(107.59,81.44) 108.03,81.01 U1.R5 ; v1(102.46,78.52) 102.46,78.53 U1.AA7 ; v1(105.57,66.52) 105.59,66.52 U1.U19 ; v1(104.54,69.42) 105.03,69.91 U1.V16 ; U1.N21 109.55,64.48 v1(109.53,64.48) ; P1.g39 67.88,15.82 v1(68.35,16.29) ; v1(102.47,65.32) 102.47,65.4 U1.Y20 ; U1.V6 105.56,79.43 ; v1(112.46,68.49) 112.46,68.53 U1.L17 ; U1.W3 104.03,82.98 103.53,83.48 ; U1.P18 v1(108.61,67.54) ; v1(101.55,68.67) 101.84,68.96 U1.AA17 ; U1.T12 v1(106.58,73.51) ; P1.h40 66.61,14.55 v1(67.21,15.15) ; U1.F12 117.44,73.56 v1(117.44,73.56)
  Top w0.4: v1(35.23,111.85) 35.23,111.57 36.75,110.05 40.26,110.05 41.25,109.05 v1(41.25,106.31) 40.8,105.86 40.8,105.38 40.87,105.32 40.87,104.23 40.42,103.78 40.42,101.33 v1(40.74,101) 40.74,99.1 40.31,98.67 v1(40.31,96.76) ; 105.56,79.43 v1(105.56,79.41)
  Top w0.6: v1(40.74,101) 59.33,101 v2(60.35,99.99)
  In2.Cu w0.254: J11.2 98.55,134.4 96.81,132.66 v1(96.81,131.34) 96.81,125.93 95.27,124.4 95.27,103.54 v1(100.76,98.06) ; v1(85.65,12.99) 89.1,12.99 90.62,11.47 97.03,11.47 98.22,12.66 98.22,14.23 98.96,14.97 98.96,23.64 103.43,28.1 v2(103.43,43.52) ; v1(130.68,27.32) 132.36,28.99 132.36,46.11 v2(132.82,46.57)
  In2.Cu w0.6: v2(60.35,99.99) 64.54,95.8 64.54,84.37 65.25,83.65 74.22,83.65 v2(75.41,84.85)
  In4.Cu w0.381: v1(116.65,66.44) 116.4,66.44 116.4,66.43
  In4.Cu w0.4: v1(103.61,72.57) 103.61,72.32 103.55,72.27
  In5.Cu w0.254: v1(100.76,98.06) 106.27,92.54 106.27,91.3 107.06,90.51 107.06,88.79 106.77,88.49 106.77,87.98 107.03,87.71 107.03,82 v1(107.59,81.44) ; v2(52.55,79.41) 52.55,77.33 47.09,71.87 47.09,68.95 49.45,66.59 v1(49.45,63.59) 50.62,62.42 50.62,61.42 52.93,59.1 v1(52.93,58.61)
  In5.Cu w0.4: v2(65.63,19.54) 65.63,19.54 77.34,19.54 87.98,30.19 89.53,30.19 90.32,30.97 90.32,35.24 99.62,44.54 v2(102.67,44.54) ; v1(117.44,73.56) 116.92,73.04 114.96,73.04 v1(114.46,72.54)
  Bottom w0.127: R160.1 100.76,99.06 v1(100.76,98.06)
  Bottom w0.13: 76.67,75.18 R283.1 76.69,74.28 R282.2 ; 76.67,75.18 76.67,84.45 v2(76.28,84.85) ; 76.67,75.18 76.68,75.2
  Bottom w0.254: v1(49.45,63.59) 49.47,63.6 R227.1 ; C247.1 107.21,72.51 107.97,71.74 107.97,70.97 v1(107.52,70.52) ; U38.6 40.1,101.85 C187.1 40.31,101.18 40.5,101 v1(40.74,101) ; U9.6 52.58,53.63 52.58,53.63 52.58,54.44 v1(51.87,55.16) ; v1(52.93,58.61) 52.94,58.6 C213.1 52.68,57.84 U8.6 ; R64.2 147.38,52.32 147.38,53.07 148.33,54.02 148.34,54.02 148.34,54.03 148.5,54.19 149.91,54.19 150.12,53.99 150.12,53.96 151.67,52.41 v1(152.98,52.41) ; U26.6 40.1,106.87 C185.1 41.24,106.31 v1(41.25,106.31) ; v1(147.19,44.74) 147.19,45.4 145.29,47.31 145.29,51.27 ; v1(74.6,5.5) 74.6,8.31 79.44,13.15 82.44,13.15 83.26,12.33 84.31,12.33 84.95,12.97 R251.1 v1(85.65,12.99) ; v1(114.46,72.54) 114.16,72.54 113.69,72.07 111.18,72.07 v1(110.58,71.48) ; U33.6 35.18,111.24 C186.1 35.23,111.84 v1(35.23,111.85) ; U15.6 40.1,97.53 C356.1 40.31,96.77 v1(40.31,96.76) ; R166.1 v1(96.81,131.34)
  Bottom w0.381: C259.1 107.05,83.96 v1(106.58,84.43) ; C246.1 113.05,67.93 112.75,68.24 112.72,68.24 v1(112.46,68.49) ; v1(102.59,76.39) 103.07,75.91 C250.1 ; v1(115.47,69.51) 115.02,69.95 C244.1 ; C256.1 111.04,71.93 v1(110.58,71.48) ; C251.1 105.16,79.81 v1(105.56,79.41) ; v1(100.33,71.95) 101.2,71.08 C262.1 ; 109.04,68.24 109.04,67.97 v1(108.61,67.54) ; C263.1 107.03,63.93 v1(106.58,63.47) ; C245.1 100.68,81.72 v1(100.43,81.98) ; v1(105.57,66.52) 105.05,66 105.05,64.2 104.43,63.58 ; v1(116.65,66.44) 116.27,66.44 C261.1 ; 105.03,69.99 C257.1 105.03,69.91 v1(104.54,69.42) ; C260.1 110.01,64.96 v1(109.53,64.48) ; C258.1 103,65.85 102.47,65.32 v1(102.47,65.32) ; C247.1 107.12,72.96 v1(106.58,73.51)
  Bottom w0.4: R225.1 v2(52.55,79.41) 53.23,80.09 R223.1 61.56,80.09 65.02,83.55 65.33,83.55 ; 147.38,52.32 146.34,52.32 145.29,51.27 144.24,51.27 139.56,46.59 132.06,46.59 127.51,51.14 114.1,51.14 112.49,49.53 112.49,48.06 109.98,45.55 v2(105.21,45.55) ; v1(67.21,15.15) v1(68.35,16.29) 68.41,16.35 C67.1 ; 94.36,83.32 94.36,84.7 93.12,85.94 89.79,85.94 88.9,85.05 ; 104.42,63.59 104.42,63.58 103.94,63.58 103.54,63.18 R221.1 ; C248.1 114.59,72.41 v1(114.46,72.54)
  vias: v1(103.48,83.53) v2(75.44,86.27) v2(75.41,85.56) v2(76.3,86.27) v2(76.28,85.56) v2(88.92,87.41) v2(88.9,86.7) v2(88.9,85.99) v2(95.45,68.59) v2(95.5,67.04) v2(95.48,65.66) v2(95.5,64.39) v2(95.53,63.61) v2(102.67,45.55) v2(103.43,46.32) v2(104.19,46.32) v2(104.19,43.52) v2(105.21,44.54)
